# Altium PCB linux_board_PCB.PcbDoc (part 1 of 3)
Units mil, origin at the board's own origin, x right, y up, seen from the top; angles counter-clockwise.
Board outline 7095.54 x 3947.54 mil, 2 copper layers (Top Layer, Bottom Layer); 282 components, 277 nets, 1199 pads, 329 vias.
Unrouted connection lines stored in the file: 2.
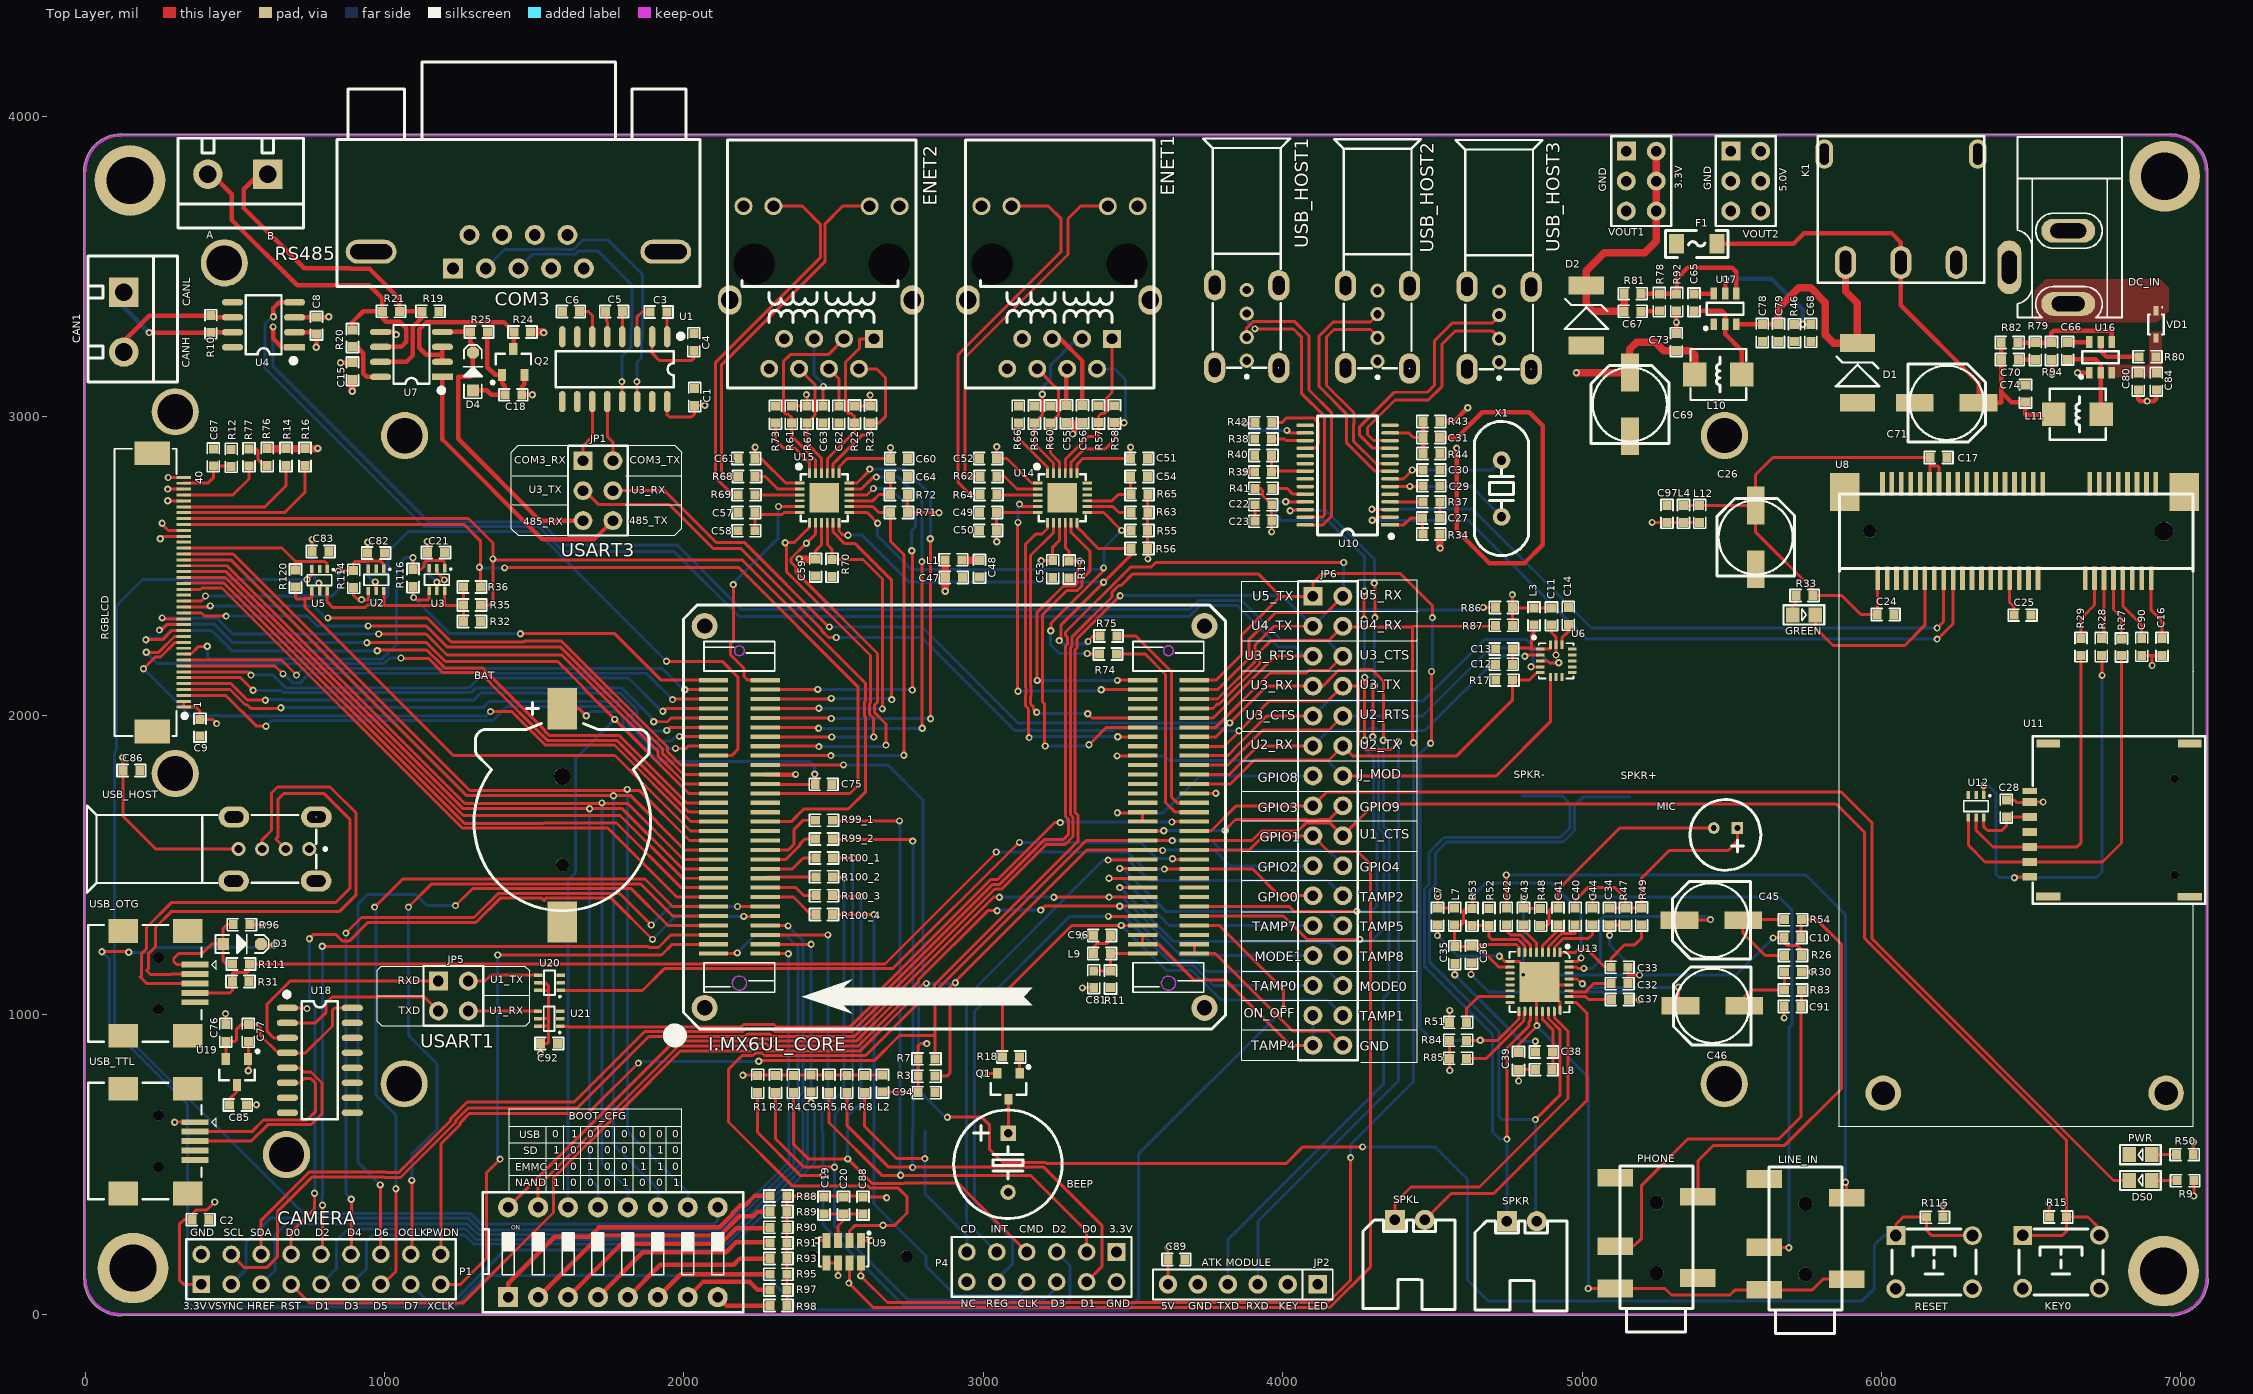
[diagram p0: Top Layer view]
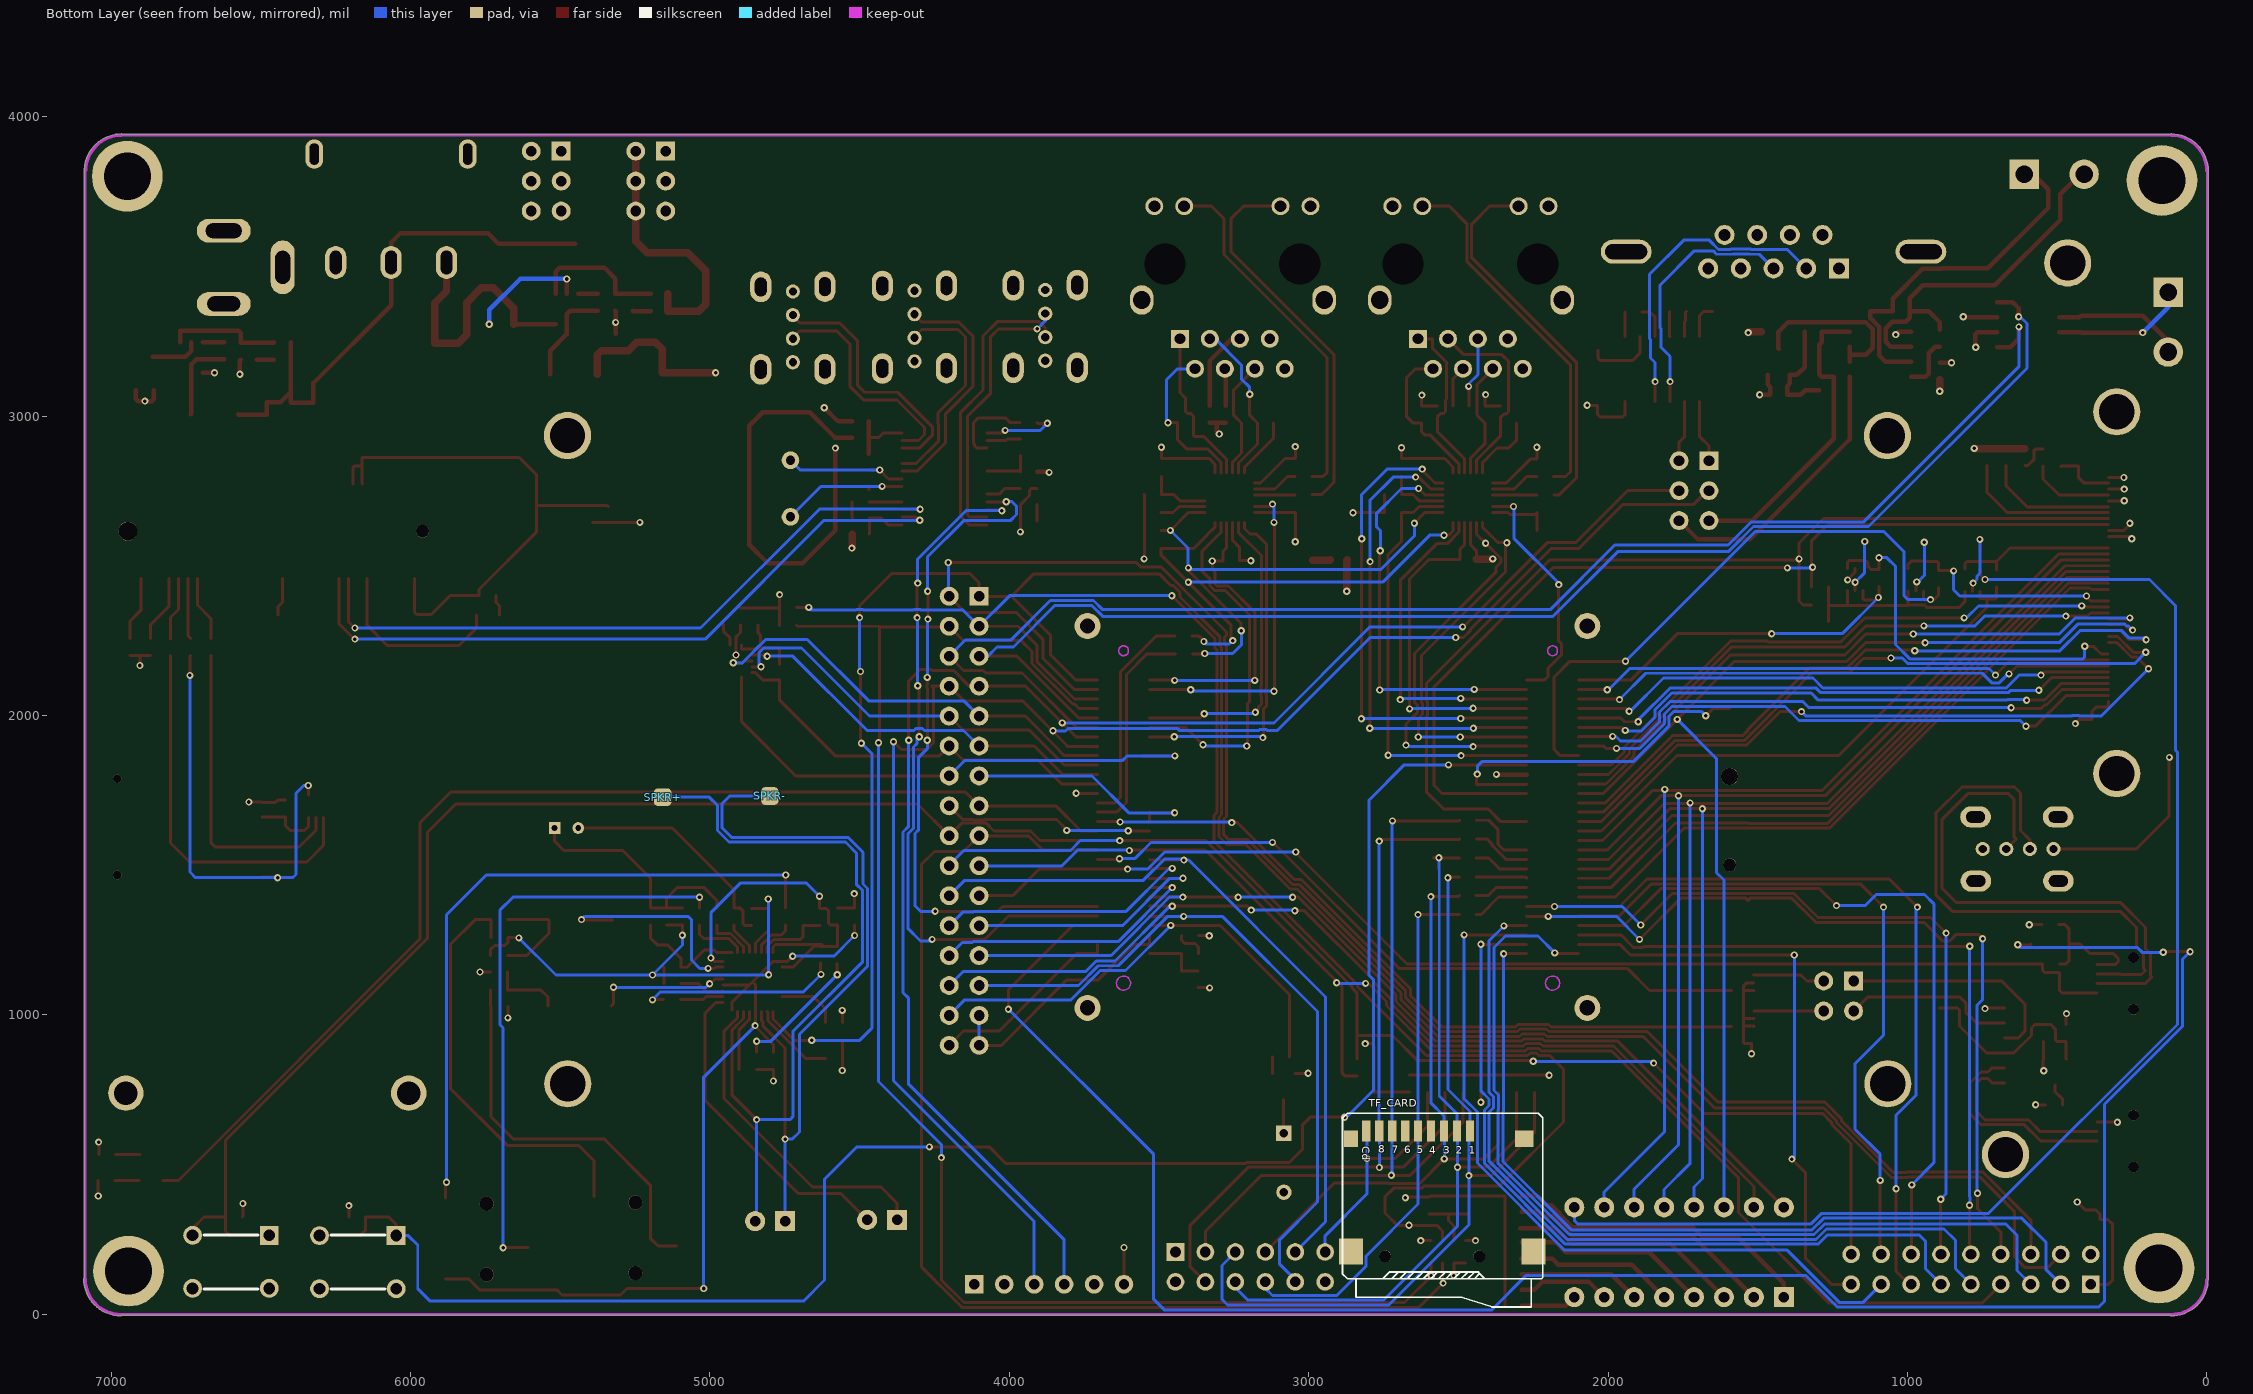
[diagram p1: Bottom Layer view, seen from below]

## Layer stack, top to bottom
Top Solder: solder mask 0.4, Solder Resist, Dk 3.5
Top Layer: signal copper 1.4
Dielectric 1: dielectric 12.6, FR-4, Dk 4.8
Bottom Layer: signal copper 1.4
Bottom Solder: solder mask 0.4, Solder Resist, Dk 3.5

## Board outline
-4.22,116.77 cw(c0.8,116.81) -3.95,118.42 -3.95,3817.33 cw(c0.74,3819.1) -4.27,3819.1 cw(c118.85,3819.1) 117.77,3942.22 cw(c117.81,3937.2) 121.13,3940.96 6962.71,3940.96 cw(c6966.1,3937.26) 6966.1,3942.27 cw(c6966.1,3819.15) 7088.96,3827.18 cw(c7086.61,3824) 7090.57,3824 7090.57,120.47 cw(c7086.26,117.9) 7091.27,117.9 cw(c6968.15,117.9) 6969.23,-5.22 cw(c6969.19,-0.2) 6965.86,-3.95 122.29,-3.95 cw(c118.9,-0.26) 118.9,-5.27 cw(c118.9,117.85)

## Design rules (kind name [scope] priority, off if disabled: settings)
Clearance [All] p1: gap=10 ignorepadtopadclearanceinfootprint=FALSE except(0: Arc-Hole Track-Hole SMDPad-Hole THPad-Hole Via-Hole Fill-Hole Poly-Hole Region-Hole Text-Hole; 6: Arc-Arc Arc-Track Arc-SMDPad Track-Track Track-SMDPad SMDPad-SMDPad)
PolygonConnect [All] p1: connectstyle=Direct reliefconductorwidth=10 reliefentries=4 polygonreliefangle="90 Angle" airgapwidth=10
RoutingVias [All] p1: holewidth=12 width=24 viastyle="Through Hole" minholewidth=12 minwidth=24 maxholewidth=12 maxwidth=24
SolderMaskExpansion [All] p1: expansion=4
Width power [InNetClass('PWR')] p1: maxlimit=50 minlimit=10 preferedwidth=25
Width [All] p2: maxlimit=30 minlimit=10 preferedwidth=15
30 further rules are at their usual default settings.

## Classes and differential pairs
component class Sheet1: BEEP C1 C2 C3 C4 C5 C6 C8 C9 C11 C12 C13 C14 C15 C18 C21 C82 C83 C87 C94 C95 CAN1 COM3 D4 DS0 JP1 KEY0 L2 L3 P1 Q1 Q2 R1 R2 R3 R4 R6 R7 R8 R9 R10 R12 R14 R15 R16 R17 R18 R19 R20 R21 R24 R25 R32 R35 R36 R76 R77 R99_1 R99_2 R100_1 R100_2 R100_3 R100_4 R114 R116 R120 RGBLCD RS485 TF_CARD U1 U2 U3 U4 U5 U6 U7
component class Sheet2: C7 C10 C16 C17 C19 C20 C22 C23 C24 C25 C26 C27 C28 C29 C30 C31 C32 C33 C34 C35 C36 C37 C38 C39 C40 C41 C42 C43 C44 C45 C46 C88 C89 C90 C91 C97 GREEN JP2 L4 L7 L8 L12 LINE_IN MIC PHONE R26 R27 R28 R29 R30 R33 R34 R37 R38 R39 R40 R41 R42 R43 R44 R47 R48 R49 R51 R52 R53 R54 R83 SPKL SPKR SPKR+ SPKR- U8 U9 U10 U11 U12 U13 USB_HOST1 USB_HOST2 USB_HOST3 X1
component class Sheet3: C47 C48 C49 C50 C51 C52 C53 C54 C55 C56 C57 C58 C59 C60 C61 C62 C63 C64 ENET1 ENET2 JP6 L1 R13 R22 R23 R55 R56 R57 R58 R59 R60 R61 R62 R63 R64 R65 R66 R67 R68 R69 R70 R71 R72 R73 U14 U15
component class Sheet4: BOOT_CFG C81 C96 I.MX6UL_CORE L9 P4 R11 R74 R75 R84 R85 R86 R87 R88 R89 R90 R91 R93 R95 R97 R98
component class Sheet5: BAT C65 C66 C67 C68 C69 C70 C71 C73 C74 C75 C76 C77 C78 C79 C80 C84 C85 C86 C92 D1 D2 D3 DC_IN F1 JP5 K1 L10 L11 PWR R31 R46 R50 R78 R79 R80 R81 R82 R92 R94 R96 R111 R115 RESET U16 U17 U18 U19 U20 U21 USB_HOST USB_OTG USB_TTL VD1 VOUT1 VOUT2
net class PWR: 3V3_DCDC 4G_1V8 4G_3V3 5V_DCDC HUB_3V3 NetDC_IN_1 NetPWR_1 SD_3V3 UART_3V3 USB_OTG1_VBUS USB_OTG2_VBUS USB_OTG_VBUS VDD_COIN_3V VENET_3V3 VM VUSB

## Components (designator, comment, footprint, x,y, rotation, side; value= is the part's Value field where it differs from the comment)
BAT "1220" CR1220_B 1594,1642.73 r90 top
BEEP "BEEP" "BEEP 5x9x5.5" 3083,506 r180 top
BOOT_CFG "CSW-8P" "CSW DIP-8P" 1763,207 r0 top
C1 "104" "C 0603" 2036,3064 r90 top
C2 "104" "C 0603" 386,316 r0 top
C3 "104" "C 0603" 1915.75,3348 r0 top
C4 "104" "C 0603" 2033,3247 r270 top
C5 "104" "C 0603" 1766.88,3349 r0 top
C6 "104" "C 0603" 1623,3349 r0 top
C7 "104" "C 0603" 4517,1328.25 r90 top
C8 "104" "C 0603" 773,3302 r270 top
C9 "104" "C 0603" 384,1959 r270 top
C10 "104" "C 0603" 5703.25,1258 r0 top
C11 "104" "C 0603" 4898,2331 r270 top
C12 "104" "C 0603" 4739,2171 r0 top
C13 "104" "C 0603" 4739,2222 r180 top
C14 "104" "C 0603" 4954,2332.75 r90 top
C15 "104" "C 0603" 893,3150 r90 top
C16 "104" "C 0603" 6937,2229 r90 top
C17 "104" "C 0603" 6191,2862 r180 top
C18 "104" "C 0603" 1430.11,3070.87 r180 top
C19 "104" "C 0603" 2468,363.25 r90 top
C20 "104" "C 0603" 2532.94,363.25 r90 top
C21 "104" "C 0603" 1171.75,2544 r180 top
C22 "104" "C 0603" 3935.25,2703.85 r0 top
C23 "104" "C 0603" 3935.25,2649 r0 top
C24 "104" "C 0603" 6014,2337 r180 top
C25 "104" "C 0603" 6471,2335 r180 top
C26 "470uF" "CM D(6.3*5.4)" 5580,2595 r90 top
C27 "104" "C 0603" 4495.75,2659.71 r180 top
C28 "104" "C 0603" 6417,1689.25 r90 top
C29 "104" "C 0603" 4497,2767 r0 top
C30 "104" "C 0603" 4497,2820 r0 top
C31 "104" "C 0603" 4496.25,2928.41 r0 top
C32 "104" "C 0603" 5125,1104 r180 top
C33 "104" "C 0603" 5125.5,1159 r0 top
C34 "104" "C 0603" 5092,1328 r270 top
C35 "104" "C 0603" 4575,1200 r90 top
C36 "104" "C 0603" 4631,1201 r90 top
C37 "104" "C 0603" 5126.25,1051 r0 top
C38 "104" "C 0603" 4872.5,876.06 r180 top
C39 "104" "C 0603" 4787.5,846.06 r90 top
C40 "104" "C 0603" 4977,1328.25 r90 top
C41 "104" "C 0603" 4919.5,1328.25 r90 top
C42 "104" "C 0603" 4747,1328.25 r90 top
C43 "104" "C 0603" 4804.5,1328.25 r90 top
C44 "104" "C 0603" 5034.5,1328.25 r90 top
C45 "47uF" "CM D(6.3*5.4)" 5432,1316 r180 top
C46 "47uF" "CM D(6.3*5.4)" 5435,1030 r180 top
C47 "104" "C 0603" 2901.75,2461 r180 top
C48 "104" "C 0603" 2987,2490 r90 top
C49 "104" "C 0603" 3016.25,2678.05 r0 top
C50 "104" "C 0603" 3016.25,2618.03 r0 top
C51 "104" "C 0603" 3520.75,2858 r180 top
C52 "104" "C 0603" 3016.25,2858.13 r0 top
C53 "104" "C 0603" 3232,2488.75 r90 top
C54 "104" "C 0603" 3520.75,2797.97 r180 top
C55 "104" "C 0603" 3277.94,3006.5 r90 top
C56 "104" "C 0603" 3331.25,3006.5 r90 top
C57 "104" "C 0603" 2209.25,2678.05 r0 top
C58 "104" "C 0603" 2209,2617 r0 top
C59 "104" "C 0603" 2440,2494 r90 top
C60 "104" "C 0603" 2718.75,2858 r180 top
C61 "104" "C 0603" 2209.25,2858.13 r0 top
C62 "104" "C 0603" 2517.31,3005 r90 top
C63 "104" "C 0603" 2464.5,3005 r90 top
C64 "104" "C 0603" 2718.75,2797.97 r180 top
C65 "104" "C 0603" 5374,3380 r270 top
C66 "104" "C 0603" 6622,3218 r270 top
C67 "104" "C 0603" 5169,3350 r180 top
C68 "104" "C 0603" 5764,3278 r90 top
C69 "470uF" "CM D(6.3*5.4)" 5160,3039 r90 top
C70 "104" "C 0603" 6429,3189 r180 top
C71 "470uF" "CM D(6.3*5.4)" 6218,3044 r0 top
C73 "104" "C 0603" 5315,3247 r270 top
C74 "104" "C 0603" 6481,3075 r270 top
C75 "104" "C 0603" 2467,1770 r0 top
C76 "104" "C 0603" 470,940 r270 top
C77 "104" "C 0603" 545,940 r90 top
C78 "104" "C 0603" 5602,3277.75 r90 top
C79 "104" "C 0603" 5656,3277.75 r90 top
C80 "104" "C 0603" 6858,3115 r90 top
C81 "104" "C 0603" 3369,1119 r270 top
C82 "104" "C 0603" 972,2543 r180 top
C83 "104" "C 0603" 786,2548 r180 top
C84 "104" "C 0603" 6918,3115 r90 top
C85 "104" "C 0603" 510,699 r180 top
C86 "104" "C 0603" 155,1816 r0 top
C87 "104" "C 0603" 428,2862 r270 top
C88 "104" "C 0603" 2598,362.75 r270 top
C89 "104" "C 0603" 3645,183 r0 top
C90 "104" "C 0603" 6869.47,2229 r270 top
C91 "104" "C 0603" 5703.25,1028 r0 top
C92 "104" "C 0603" 1550,904 r180 top
C94 "104" "C 0603" 2810.75,740 r180 top
C95 "104" "C 0603" 2425.02,770.75 r90 top
C96 "104" "C 0603" 3397,1265 r180 top
C97 "104" "C 0603" 5284,2673 r270 top
CAN1 "CAN" KF301-2P 129,3414 r270 top
COM3 "USART_F(母头)" DB9/P_A 1447.42,3493.19 r180 top
D1 "SMBJ5.0A" SMBJ 5920,3139 r90 top
D2 "SMBJ3.3A" SMBJ 5014,3331 r90 top
D3 "MBR0520" SOD-123F 524,1237 r0 top
D4 "MBR0520" SOD-123F 1295.11,3148.86 r90 top
DC_IN "POWER" DC10B 6454,3794 r270 top
DS0 "RED" "LED 0805R" 6863,447 r180 top
ENET1 "HR911105A" RJ-45A12 3515.83,3700.91 r90 top
ENET2 "HR911105A" RJ-45A12 2720.65,3700.91 r90 top
F1 "2A" "FU 1206" 5383,3575 r180 top
GREEN "WWAN" "LED 0805R" 5743,2336 r0 top
I.MX6UL_CORE "I.MX6UL_CORE" I.MX6UL_CORE 2904,1661 r90 top locked
JP1 "RS232/RS485" HDR-3X2 1663,2851 r270 top
JP2 "ATK MODULE" HEAD6 4117.42,100.43 r180 top
JP5 "Header2X2" HDR-2X2 1180,1113 r270 top
JP6 "Header 2X11" HDR-16X2 4101,2398 r270 top
K1 "KEY1X3" PKEY 5885.87,3520.13 r90 top
KEY0 "KEY" "TSW DIP-6*6*5 - 2" 6600,175 r0 top
L1 "120R,2.0A" "L 0603" 2900.25,2520 r0 top
L2 "120R,2.0A" "L 0603" 2663.36,770.5 r270 top
L3 "120R,2.0A" "L 0603" 4839,2331 r90 top
L4 "120R,2.0A" "L 0603" 5339,2673 r270 top
L7 "120R,2.0A" "L 0603" 4574.63,1328 r270 top
L8 "120R,2.0A" "L 0603" 4872,817 r0 top
L9 "120R,2.0A" "L 0603" 3397,1205 r0 top
L10 "4.7uH" L-SMD-0420 5455,3139 r180 top
L11 "4.7uH" L-SMD-0420 6655,3006 r180 top
L12 "120R,2.0A" "L 0603" 5393,2673.25 r270 top
LINE_IN "PJ-327A" PJ327A 5746,14.67 r90 top
MIC "MIC" MIC-6022 5518.74,1624 r180 top
P1 "Header 9X2" HDR2X9 788,150 r0 top
P4 "Header 6X2" HDR2X6 3195,158 r180 top
PHONE "PJ-327A" PJ327A 5249,18.89 r90 top
PWR "BLUE" "LED 0805R" 6863,533 r180 top
Q1 "S8550" SOT23-3L 3084,761 r180 top
Q2 "SS8050" SOT23-3N 1430.11,3180.87 r0 top
R1 "47K" "R 0603" 2246.36,769.5 r90 top
R2 "47K" "R 0603" 2305.91,769.5 r90 top
R3 "10K" "R 0603" 2811,795 r180 top
R4 "47K" "R 0603" 2365.47,769.5 r90 top
R5 "47K" "R 0603" 2484.57,769.5 r90 top
R6 "47K" "R 0603" 2544.13,769.5 r90 top
R7 "10K" "R 0603" 2811,853 r180 top
R8 "47K" "R 0603" 2603.68,769.5 r90 top
R9 "510R" "R 0603" 7015,446 r180 top
R10 "120R" "R 0603" 420,3307 r270 top
R11 "0R" "R 0603" 3425,1119 r270 top
R12 "10K" "R 0603" 488,2860.25 r90 top
R13 "10K" "R 0603" 3287,2487 r90 top
R14 "10K" "R 0603" 671,2863 r90 top
R15 "10K" "R 0603" 6590,325 r0 top
R16 "10K" "R 0603" 734,2863 r90 top
R17 "10K" "R 0603" 4740,2118 r0 top
R18 "1K" "R 0603" 3093,859 r0 top
R19 "360R" "R 0603" 1153,3350 r0 top
R20 "360R" "R 0603" 893,3260 r90 top
R21 "120R" "R 0603" 1021,3350 r0 top
R22 "49.9R" "R 0603" 2570.25,3005.75 r270 top
R23 "49.9R" "R 0603" 2623.06,3005.75 r270 top
R24 "10K" "R 0603" 1460.11,3280.87 r0 top
R25 "20K" "R 0603" 1315.11,3280.87 r0 top
R26 "10K" "R 0603" 5704,1198 r0 top
R27 "22R" "R 0603" 6801.94,2227.75 r270 top
R28 "22R" "R 0603" 6734.53,2228.75 r270 top
R29 "22R" "R 0603" 6667,2228.75 r270 top
R30 "10K" "R 0603" 5704,1143 r0 top
R31 "100K" "R 0603" 519.75,1111 r180 top
R32 "10K" "R 0603" 1291.75,2314 r0 top
R33 "510R" "R 0603" 5743,2401 r0 top
R34 "0R" "R 0603" 4497,2606 r180 top
R35 "0R" "R 0603" 1291.75,2369 r0 top
R36 "0R" "R 0603" 1291.75,2429 r0 top
R37 "680R" "R 0603" 4497,2713.43 r180 top
R38 "510K" "R 0603" 3935,2923.27 r0 top
R39 "10K" "R 0603" 3935,2813.56 r0 top
R40 "20K" "R 0603" 3935,2868.42 r0 top
R41 "0R" "R 0603" 3936,2758.58 r180 top
R42 "100K" "R 0603" 3936,2978 r180 top
R43 "10K" "R 0603" 4497,2982 r180 top
R44 "47K" "R 0603" 4497,2874.57 r180 top
R46 "1K" "R 0603" 5710,3277 r270 top
R47 "47K" "R 0603" 5145,1328 r270 top
R48 "0R" "R 0603" 4862,1327 r90 top
R49 "680R" "R 0603" 5199,1328 r90 top
R50 "1K" "R 0603" 7013.25,533 r180 top
R51 "0R" "R 0603" 4586,975 r0 top
R52 "0R" "R 0603" 4689.5,1327 r90 top
R53 "24K" "R 0603" 4632,1327 r90 top
R54 "0R" "R 0603" 5704,1318 r0 top
R55 "1K" "R 0603" 3521,2618.03 r0 top
R56 "1K" "R 0603" 3521,2558 r0 top
R57 "49.9R" "R 0603" 3384.69,3006.25 r270 top
R58 "49.9R" "R 0603" 3438,3006.25 r270 top
R59 "49.9R" "R 0603" 3171.31,3005.25 r270 top
R60 "49.9R" "R 0603" 3224.62,3005.25 r270 top
R61 "49.9R" "R 0603" 2358.88,3004.75 r270 top
R62 "510R" "R 0603" 3017,2797.97 r0 top
R63 "1K" "R 0603" 3522,2677.92 r180 top
R64 "510R" "R 0603" 3017,2737.95 r0 top
R65 "1K" "R 0603" 3522,2737.95 r180 top
R66 "12.1K" "R 0603" 3117,3005 r270 top
R67 "49.9R" "R 0603" 2411.69,3004.75 r270 top
R68 "510R" "R 0603" 2210,2797.97 r0 top
R69 "510R" "R 0603" 2208.75,2737 r0 top
R70 "10K" "R 0603" 2495,2492.75 r90 top
R71 "1K" "R 0603" 2719,2677.92 r180 top
R72 "1K" "R 0603" 2719,2737.95 r180 top
R73 "12.1K" "R 0603" 2306.06,3004.75 r270 top
R74 "0R" "R 0603" 3417,2205 r180 top
R75 "0R" "R 0603" 3418.75,2265 r180 top
R76 "10K" "R 0603" 608,2863 r90 top
R77 "0R" "R 0603" 547,2862 r90 top
R78 "1K" "R 0603" 5258,3380 r90 top
R79 "1K" "R 0603" 6514,3217 r90 top
R80 "100K" "R 0603" 6889,3198 r180 top
R81 "49.9K 1%" "R 0603" 5169,3409 r0 top
R82 "15K 1%" "R 0603" 6428,3246 r0 top
R83 "0R" "R 0603" 5704,1083 r0 top
R84 "4.7K" "R 0603" 4586,915 r0 top
R85 "4.7K" "R 0603" 4586,855 r0 top
R86 "4.7K" "R 0603" 4739,2361 r180 top
R87 "4.7K" "R 0603" 4739,2301 r180 top
R88 "10K" "R 0603" 2316,395 r180 top
R89 "10K" "R 0603" 2316,342.71 r180 top
R90 "4.7K" "R 0603" 2316,290.43 r180 top
R91 "4.7K" "R 0603" 2316,238.14 r180 top
R92 "15K 1%" "R 0603" 5316,3380 r90 top
R93 "4.7K" "R 0603" 2316,185.86 r180 top
R94 "15K 1%" "R 0603" 6568,3217 r90 top
R95 "4.7K" "R 0603" 2316,133.57 r180 top
R96 "0R" "R 0603" 523,1301 r0 top
R97 "4.7K" "R 0603" 2316,81.29 r180 top
R98 "4.7K" "R 0603" 2316,29 r180 top
R99_1 "47R" "R 0603" 2467.75,1650 r0 top
R99_2 "47R" "R 0603" 2467.75,1587.03 r0 top
R100_1 "47R" "R 0603" 2468.75,1523.92 r180 top
R100_2 "47R" "R 0603" 2468.75,1460.95 r180 top
R100_3 "47R" "R 0603" 2468.75,1397.97 r180 top
R100_4 "47R" "R 0603" 2468.75,1335 r180 top
R111 "10K" "R 0603" 521,1170 r180 top
R114 "0R" "R 0603" 897,2456.25 r90 top
R115 "10K" "R 0603" 6178,324 r0 top
R116 "0R" "R 0603" 1095,2459 r90 top
R120 "0R" "R 0603" 703,2457 r90 top
RESET "KEY" "TSW DIP-6*6*5 - 2" 6176,174 r0 top
RGBLCD "RGBLCD" FPC0.5-TOP40P 277,2411 r90 top
RS485 "RS485" KF301-2P 610,3808 r180 top
SPKL "SPKL" XH2.54-2P_H 4375,315 r0 top
SPKR "SPKL" XH2.54-2P_H 4749,311 r0 top
SPKR+ "SPK+" TP-1.5 5158,1727 r270 top
SPKR- "SPK+" TP-1.5 4800,1731 r270 top
TF_CARD "Micro SD" "Micro SD" 2859,209 r180 bottom
U1 "SP3232" SOP16_N 1769,3156.73 r270 top
U2 "SGM3157" SOT363-6L 972,2453 r270 top
U3 "SGM3157" SOT363-6L 1175,2454 r270 top
U4 "TJA1050" SOP8_N 596,3305 r180 top
U5 "SGM3157" SOT363-6L 783,2452 r270 top
U6 "ICM-20608" LGA-16-3*3*0.75 4863.49,2221.62 r0 top
U7 "SP3485" SOP8_N 1090.11,3205.87 r180 top
U8 "4G_EC20" "Mini PCIE 52P" 5876.56,2440.53 r0 top
U9 "AP3216C" QFN8 2533.91,208.53 r180 top
U10 "GL850G" SSOP28_L 4217,2803 r180 top
U11 "Nano SIM" "Nano SIM 7P" 6495.94,1460.75 r0 top
U12 "SMF05C" SOT363-6L 6316,1697 r270 top
U13 "WM8960" "QFN32 5x5_L" 4858,1110 r180 top
U14 "LAN8720A" QFN24 3264,2727 r0 top
U15 "LAN8720A" QFN24 2469,2727 r0 top
U16 "DC JW5060T_6" SOT23-6N 6732,3196 r270 top
U17 "DC JW5060T_6" SOT23-6N 5478,3358 r270 top
U18 "CH340C" SOP16_N 784,848 r0 top
U19 "XC6206" SOT23-3N 507,809 r180 top
U20 "SGM3157" SOT363-6L 1551,1107 r180 top
U21 "SGM3157" SOT363-6L 1550,987 r180 top